# Altium PCB iTOP4412_main_Clasics_v3_2.PcbDoc (part 6 of 7) (continued)
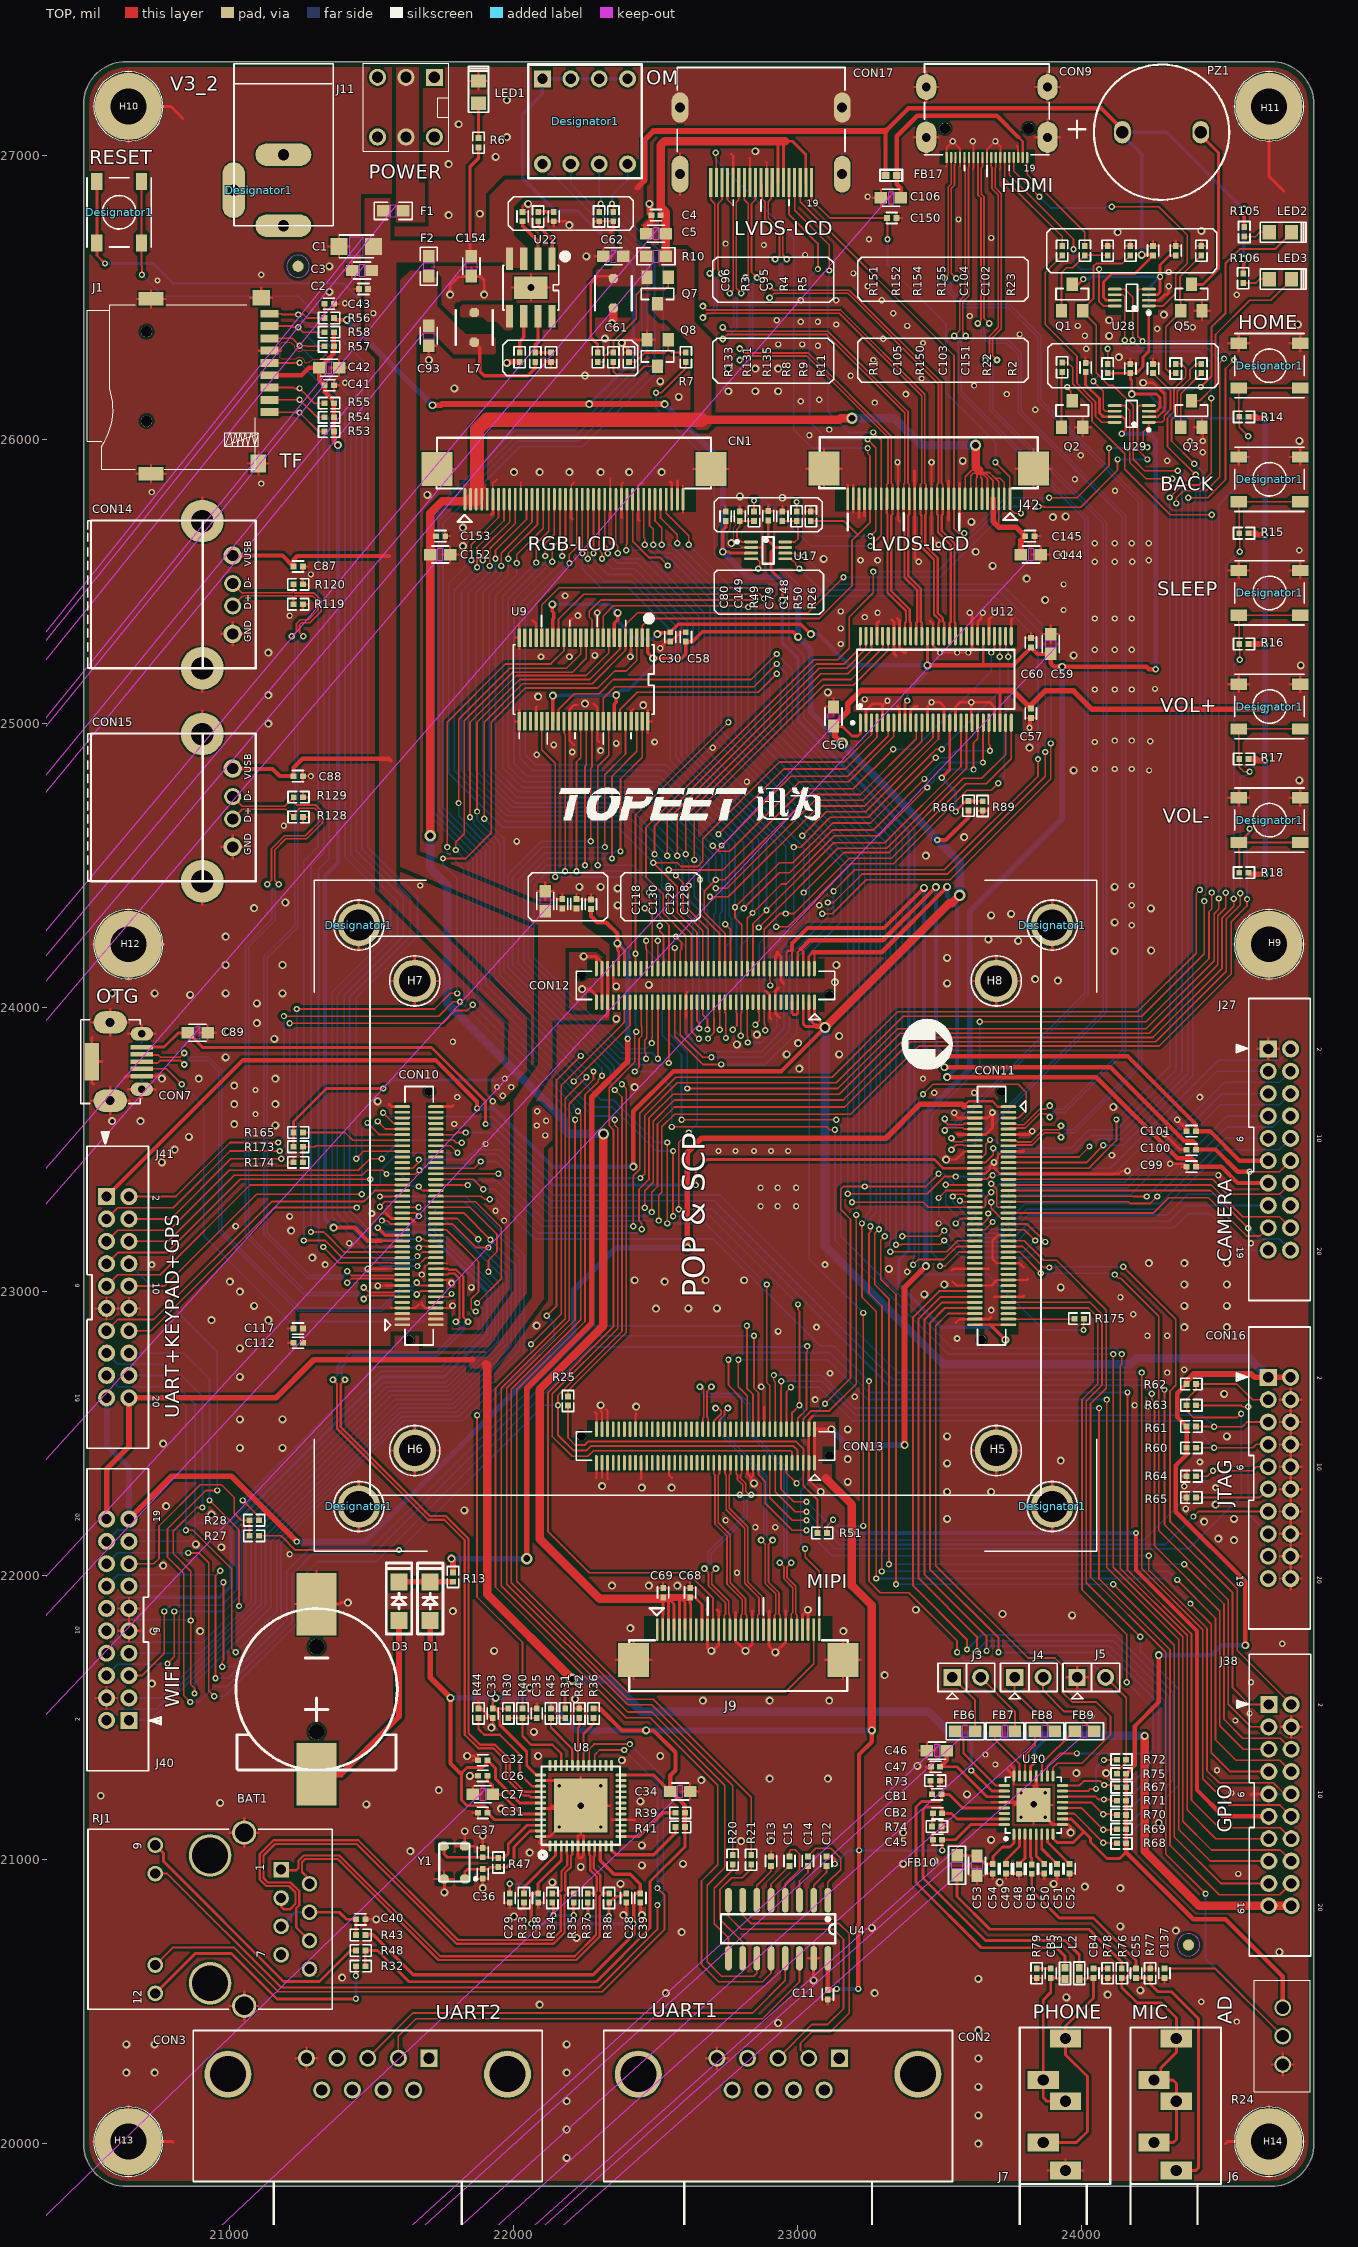
[diagram p0: TOP view]
## Nets (pads, with @x,y where several pads share a name; then routed paths per layer and width w, separated by ;. In a path a pad name is that pad's centre, name@x,y a point inside that pad or via, vN(x,y) a via of type N, cw(c..) or ccw(c..) an arc to the next point about the centre after c; other vN are vias at no path point) (continued)
XI2S0LRCK/PCM_0_FSYNC: CON11.70 R70.2 U10.13 | length 3018.7
  TOP w7: CON11.70@23625.65,22982.47 23504.75,22982.47 23427.85,22905.57 23427.85,21991.07 23632.85,21786.07 v1(23632.85,21735.57) ; U10.13@23933.99,21202.68 24035.75,21202.68 v1(24077.85,21160.57) 24102.39,21160.57 24105.13,21157.83 R70.2@24125.13,21157.83
  BOTTOM w7: v1(23632.85,21735.57) 23667.85,21770.57 24112.85,21770.57 24307.85,21575.57 24307.85,21315.57 24152.85,21160.57 v1(24077.85,21160.57)
XI2S0SCLK/PCM_0_SCLK: CON11.68 R69.2 U10.12 | length 3185.4
  TOP w7: v1(23597.85,21740.57) 23597.85,21775.57 23407.85,21965.57 23407.85,22910.57 23499.43,23002.15 CON11.68@23625.65,23002.15 ; U10.12@23933.99,21182.99 24000.43,21182.99 v1(24077.85,21105.57) 24102.87,21105.57 24105.13,21107.83 R69.2@24125.13,21107.83
  BOTTOM w7: v1(23597.85,21740.57) 23648.85,21791.57 24121.85,21791.57 24322.85,21590.57 24322.85,21280.57 24147.85,21105.57 v1(24077.85,21105.57)
XI2S0SDI/PCM_0_SIN: CON11.74 R67.2 U10.16 | length 2704.6
  TOP w7: CON11.74@23625.65,22943.1 23520.38,22943.1 23467.85,22890.57 23467.85,22022.07 23708.85,21781.07 v1(23708.85,21730.57) ; U10.16@23933.99,21261.73 23992.85,21261.73 24008.48,21277.36 24067.06,21277.36 v1(24080.85,21263.57) 24100.35,21263.57 24102.35,21261.57 24118.85,21261.57 24124.85,21255.57 R67.2@24125.35,21255.57
  BOTTOM w7: v1(23708.85,21730.57) 24092.85,21730.57 24272.85,21550.57 24272.85,21364.57 24171.85,21263.57 v1(24080.85,21263.57)
XI2S0SDO_0/PCM_0_SOUT: CON11.72 R71.2 U10.14 | length 2855
  TOP w7: CON11.72@23625.65,22962.78 23510.06,22962.78 23447.85,22900.57 23447.85,22005.07 23666.85,21786.07 v1(23666.85,21735.57) ; U10.14@23933.99,21222.36 24050.56,21222.36 24060.35,21212.57 v1(24079.85,21212.57) 24100.39,21212.57 24105.13,21207.83 R71.2@24125.13,21207.83
  BOTTOM w6: v1(23666.85,21735.57) v1@23666.85,21736.57
  BOTTOM w7: v1@23666.85,21736.57 23682.85,21752.57 24100.85,21752.57 24292.85,21560.57 24292.85,21341.57 24163.85,21212.57 v1(24079.85,21212.57)
XISPI2C1SCL: CON13.30
XISPI2C1SDA: CON13.32
XISPSPICLK: CON13.26 J38.15 | length 3594.8
  TOP w6: v1(22792.85,22760.57) 22792.85,22665.57 22824.47,22633.95 CON13.26@22824.47,22515.93 ; v1(24089.42,22620.57) 24089.42,22029.01 24342.85,21775.57 24342.85,21106.57 24453.7,20995.72 J38.15@24660.48,20995.72
  BOTTOM w6: v1(22792.85,22760.57) 23107.85,22760.57 23247.85,22620.57 v1(24089.42,22620.57)
XISPSPICSN: CON13.19
XISPSPIMISO: CON13.21 J38.10 | length 2750.9
  TOP w6: CON13.21@22863.84,22397.81 22863.84,22355.57 22887.85,22331.56 22887.85,22255.57 22982.85,22160.57 v1(23032.85,22160.57) ; v1(24237.85,22070.57) 24237.85,22020.57 24442.85,21815.57 24442.85,21313.57 24485.48,21270.94 24676.64,21270.94 24715.64,21231.94 J38.10@24739.22,21231.94
  BOTTOM w6: v1(23032.85,22160.57) 23122.85,22070.57 v1(24237.85,22070.57)
XISPSPIMOSI: CON13.28 J38.14 | length 3674.2
  TOP w6: v1(22757.85,22760.57) 22757.85,22670.57 22804.78,22623.65 CON13.28@22804.78,22515.93 ; v1(24162.85,22645.57) 24162.85,22020.77 24176.35,22007.27 24186.01,21997.61 24186.01,21997.41 24387.85,21795.57 24387.85,21210.57 24484.96,21113.46 24700.22,21113.46 J38.14@24739.22,21074.46
  BOTTOM w6: v1(22757.85,22760.57) 22783.85,22786.57 23111.85,22786.57 23252.85,22645.57 v1(24162.85,22645.57)
XJTCK: CON13.13 CON16.9 R64.2 | length 2058
  TOP w6: CON13.13@22942.58,22397.81 22942.58,22305.85 22987.85,22260.57 v1(23032.85,22260.57) ; R64.2@24404.35,22350.57 24444.17,22350.57 v1(24463.85,22370.26) 24602.8,22370.26 24616.48,22383.94 CON16.9@24658.48,22383.94
  BOTTOM w6: v1(23032.85,22260.57) 23109.85,22183.57 23109.85,22182.28 23121.57,22170.57 23122.85,22170.57 23167.85,22125.57 24219.17,22125.57 v1(24463.85,22370.26)
XJTDI: CON13.14 CON16.5 R61.1 | length 2021
  TOP w6: CON13.14@22942.58,22515.93 22942.58,22651.29 22943.85,22652.57 v1(22943.85,22684.57) ; R61.1@24404.35,22525.57 24446.85,22525.57 24447.85,22524.57 v1(24467.85,22524.57) 24566.85,22524.57 24583.7,22541.42 CON16.5@24658.48,22541.42
  BOTTOM w6: v1(22943.85,22684.57) 23086.85,22684.57 23205.85,22565.57 24426.85,22565.57 v1(24467.85,22524.57)
XJTDO: CON13.15 CON16.13 | length 1962.5
  TOP w6: CON13.15@22922.89,22397.81 22922.89,22295.54 22992.85,22225.57 v1(23032.85,22225.57) ; v1(24394.85,22208.57) 24412.74,22226.46 CON16.13@24658.48,22226.46
  BOTTOM w6: v1(23032.85,22225.57) 23147.85,22110.57 24296.85,22110.57 v1(24394.85,22208.57)
XJTMS: CON13.12 CON16.7 R60.1 | length 1991.5
  TOP w6: CON13.12@22962.26,22515.93 22962.26,22647.98 v1(22977.85,22663.57) ; R60.1@24404.35,22450.57 v1(24467.85,22450.57) 24604.37,22450.57 24616.48,22462.68 CON16.7@24658.48,22462.68
  BOTTOM w6: v1(22977.85,22663.57) 23076.85,22663.57 23194.85,22545.57 24372.85,22545.57 v1(24467.85,22450.57)
XJTRSTN: CON13.17 CON16.3 R62.1 R63.2 | length 2816.4
  TOP w6: CON13.17@22903.21,22397.81 22903.21,22275.21 22982.85,22195.57 v1(23032.85,22195.57) ; v1(24562.85,22570.57) 24549.42,22557.13 24394.79,22557.13 24371.35,22580.57 R63.2@24371.35,22600.57 24371.35,22622.57 24404.35,22655.57 R62.1@24404.35,22675.57 24547.85,22675.57 24603.26,22620.16 CON16.3@24658.48,22620.16
  BOTTOM w6: v1(23032.85,22195.57) 23132.85,22095.57 24378.85,22095.57 24562.85,22279.57 v1(24562.85,22570.57)
XM0ADDR0: CON13.65
XM0ADDR1: CON13.68
XM0ADDR2: CON13.67
XM0ADDR3: CON13.70
XM0ADDR4: CON13.69
XM0ADDR5: CON13.72
XM0ADDR6: CON13.71
XM0ADDR7: CON13.74
XM0BEN0: CON13.43
XM0CS0: CON13.73
XM0CS1: CON13.46
XM0DATA0: CON13.45
XM0DATA1: CON13.50
XM0DATA2: CON13.47
XM0DATA3: CON13.52
XM0DATA4: CON13.49
XM0DATA5: CON13.54
XM0DATA6: CON13.51
XM0DATA7: CON13.56
XM0DATA8: CON13.55
XM0DATA9: CON13.58
XM0DATA10: CON13.57
XM0DATA11: CON13.60
XM0DATA12: CON13.59
XM0DATA13: CON13.62
XM0DATA14: CON13.61
XM0DATA15: CON13.64
XM0DATA_RDN: CON13.44
XM0OEN: CON13.48
XM0WEN: CON13.41
XMIPI2LSDN0: CON11.64
XMIPI2LSDN1: CON11.67
XMIPI2LSDNCLK: CON11.61
XMIPI2LSDP0: CON11.62
XMIPI2LSDP1: CON11.65
XMIPI2LSDPCLK: CON11.59
XMIPIMDN0: CON13.29 J9.13 | length 696.7
  TOP w6: v3(22673.1,22025.57) 22687.85,22010.82 22687.85,21965.28 22747.56,21905.57 22747.56,21865.81 22743.22,21861.47 J9.13@22743.22,21810.57 ; CON13.29@22785.1,22397.81 22785.1,22359.41 22789.44,22355.07 22789.44,22338.98 22807.85,22320.57 22807.85,22295.57 v3(22797.85,22285.57)
  BOTTOM w6: v3(22673.1,22025.57) 22686.85,22039.32 22686.85,22084.57 22811.85,22209.57 22811.85,22271.57 v3(22797.85,22285.57)
XMIPIMDN1: CON13.33 J9.19 | length 638.7
  TOP w6: CON13.33@22745.73,22397.81 22745.73,22359.41 22750.07,22355.07 22750.07,22232.8 22815.01,22167.86 22815.01,21973.41 22865.67,21922.76 22865.67,21865.81 22861.33,21861.47 J9.19@22861.33,21810.57
XMIPIMDN2: CON13.38 J9.22 | length 983.2
  TOP w6: CON13.38@22706.36,22515.93 22706.36,22544.08 22732.85,22570.57 22732.85,22581.07 22723.35,22590.57 v3(22712.85,22590.57) ; v3(22872.85,22125.57) 22887.85,22110.57 22887.85,21973.1 22924.72,21936.23 22924.72,21865.81 22920.38,21861.47 J9.22@22920.38,21810.57
  BOTTOM w6: v3(22712.85,22590.57) 22723.35,22590.57 22732.85,22581.07 22732.85,22495.57 22881.85,22346.57 22881.85,22134.57 v3(22872.85,22125.57)
XMIPIMDN3: CON13.42 J9.25 | length 1231.8
  TOP w6: v3(22657.35,22665.57) 22662.82,22665.57 22671.33,22657.06 22671.33,22558.67 22666.99,22554.33 CON13.42@22666.99,22515.93 ; v3(22938.58,22046.05) 22953.34,22031.3 22953.34,22025.57 22953.33,22000.57 22953.34,21989.17 22984.01,21958.5 22984.01,21870.14 22979.44,21865.57 J9.25@22979.44,21810.57
  BOTTOM w6: v3(22657.35,22665.57) 22662.85,22660.07 22662.85,22656.82 22663.74,22655.93 22663.74,22645.38 22678.55,22630.57 22792.85,22630.57 22821.85,22601.57 22821.85,22506.57 22953.34,22375.09 22953.34,22060.8 v3(22938.58,22046.05)
XMIPIMDNCLK: CON13.37 J9.16 | length 630.6
  TOP w6: CON13.37@22706.36,22397.81 22706.36,22359.41 22710.7,22355.07 22710.7,22182.17 22752.85,22140.01 22752.85,21970.57 22806.61,21916.81 22806.61,21865.81 22802.27,21861.47 J9.16@22802.27,21810.57
XMIPIMDP0: CON13.27 J9.14 | length 708
  TOP w6: v3(22713.61,22025.57) 22698.85,22010.82 22698.85,21969.83 22758.56,21910.13 22758.56,21865.81 22762.9,21861.47 J9.14@22762.9,21810.57 ; CON13.27@22804.78,22397.81 22804.78,22359.41 22800.44,22355.07 22800.44,22343.54 22818.85,22325.13 22818.85,22297.1 22830.38,22285.57 v3(22838.36,22285.57)
  BOTTOM w6: v3(22713.61,22025.57) 22697.85,22041.32 22697.85,22080.01 22822.85,22205.01 22822.85,22268.07 22834.85,22280.07 22836.86,22280.07 22838.36,22281.57 v3(22838.36,22285.57)
XMIPIMDP1: CON13.31 J9.20 | length 638.7
  TOP w6: CON13.31@22765.41,22397.81 22765.41,22359.41 22761.07,22355.07 22761.07,22237.35 22826.01,22172.41 22826.01,21977.97 22876.67,21927.31 22876.67,21865.81 22881.01,21861.47 J9.20@22881.01,21810.57
XMIPIMDP2: CON13.36 J9.23 | length 972.8
  TOP w6: CON13.36@22726.04,22515.93 22726.04,22548.2 22743.85,22566.01 22743.85,22581.07 22753.36,22590.57 v3(22755.85,22590.57) ; v3(22913.36,22125.57) 22898.85,22111.07 22898.85,21977.66 22935.72,21940.78 22935.72,21865.81 22940.07,21861.47 J9.23@22940.07,21810.57
  BOTTOM w6: v3(22755.85,22590.57) 22753.36,22590.57 22743.85,22581.07 22743.85,22500.13 22892.85,22351.13 22892.85,22138.1 22905.38,22125.57 v3(22913.36,22125.57)
XMIPIMDP3: CON13.40 J9.26 | length 1218.5
  TOP w6: CON13.40@22686.67,22515.93 22686.67,22554.33 22682.33,22558.67 22682.33,22650.05 v3(22697.85,22665.57) ; v3(22979.09,22046.05) 22964.34,22031.3 22964.34,22021.01 22964.33,22005.13 22964.34,21993.73 22995.01,21963.06 22995.01,21865.58 22999.12,21861.47 J9.26@22999.12,21810.57
  BOTTOM w6: v3(22697.85,22665.57) 22687.73,22655.44 22687.73,22648.51 22694.66,22641.57 22797.41,22641.57 22832.85,22606.13 22832.85,22511.13 22964.34,22379.65 22964.34,22060.8 v3(22979.09,22046.05)
XMIPIMDPCLK: CON13.35 J9.17 | length 630.6
  TOP w6: CON13.35@22726.04,22397.81 22726.04,22359.41 22721.7,22355.07 22721.7,22186.72 22763.85,22144.57 22763.85,21975.13 22817.61,21921.37 22817.61,21865.81 22821.96,21861.47 J9.17@22821.96,21810.57
XMMC2CLK: CON10.26 J1.5 | length 3779.3
  TOP w6: J1.5@21142.42,26270.21 21228.5,26270.21 21228.85,26270.57 v1(21247.85,26270.57) ; v1(21662.85,23090.57) 21692.53,23120.25 CON10.26@21728.01,23120.25
  BOTTOM w6: v1(21247.85,26270.57) 21407.85,26110.57 21407.85,24531.57 21567.85,24371.57 21567.85,24260.57 21362.85,24055.57 21362.85,23263.34 21535.62,23090.57 v1(21662.85,23090.57)
XMMC2CMD: CON10.23 J1.3 R55.1 | length 3607.8
  TOP w6: J1.3@21142.42,26183.6 21225.82,26183.6 21228.85,26180.57 v1(21247.85,26180.57) 21299.85,26128.57 R55.1@21335.35,26128.57 ; v1(21330.85,23157.57) 21386.17,23102.25 21571.22,23102.25 21572.9,23100.58 CON10.23@21609.9,23100.58
  BOTTOM w6: v1(21247.85,26180.57) 21261.29,26167.13 21262.29,26167.13 21352.85,26076.57 21352.85,24525.57 21314.85,24487.57 21314.85,23173.57 v1(21330.85,23157.57)
XMMC2DATA0: CON10.28 J1.7 R57.1 | length 3917.3
  TOP w6: J1.7@21142.42,26356.83 21192.85,26356.83 21221.59,26356.83 v1(21247.85,26330.57) 21271.85,26330.57 21273.85,26328.57 R57.1@21335.35,26328.57 ; v1(21662.85,23125.57) 21666.14,23125.57 21680.51,23139.94 CON10.28@21728.01,23139.94
  BOTTOM w6: v1(21247.85,26330.57) 21427.85,26150.57 21427.85,24539.57 21592.85,24374.57 21592.85,24257.48 21387.35,24051.98 21387.35,24049.53 21386.85,24049.03 21386.85,24047.57 21380.85,24041.57 21380.85,23274.57 21543.29,23112.13 21649.42,23112.13 v1(21662.85,23125.57)
XMMC2DATA1: CON10.30 J1.8 R58.1 | length 3933.7
  TOP w6: J1.8@21142.42,26400.14 21192.85,26400.14 21219.28,26400.14 21223.85,26395.57 v1(21242.85,26395.57) 21259.85,26378.57 R58.1@21335.35,26378.57 ; v1(21667.85,23155.57) 21672.85,23160.57 21689.85,23160.57 21690.8,23159.62 CON10.30@21728.01,23159.62
  BOTTOM w6: v1(21242.85,26395.57) 21447.85,26190.57 21447.85,24552.57 21612.85,24387.57 21612.85,24252.03 21405.35,24044.53 21405.35,24042.07 21404.85,24041.57 21404.85,23280.57 21529.85,23155.57 v1(21667.85,23155.57)
XMMC2DATA2: CON10.25 J1.1 R53.1 | length 3556.1
  TOP w6: J1.1@21142.42,26096.99 21227.43,26096.99 21228.85,26095.57 v1(21247.85,26095.57) 21314.85,26028.57 R53.1@21335.35,26028.57 ; v1(21262.85,23180.57) 21337.85,23180.57 21398.17,23120.25 CON10.25@21609.9,23120.25
  BOTTOM w6: v1(21247.85,26095.57) 21312.85,26030.57 21312.85,24565.57 21262.66,24515.38 21262.66,23204.38 21262.85,23204.19 v1(21262.85,23180.57)
XMMC2DATA3: CON10.27 J1.2 R54.1 | length 3553.9
  TOP w6: J1.2@21142.42,26140.29 21142.7,26140.57 21183.7,26140.57 21183.76,26140.56 21186.19,26140.76 21187.48,26140.61 21188.19,26140.57 v1(21247.85,26140.57) 21309.85,26078.57 R54.1@21335.35,26078.57 ; v1(21287.85,23210.57) 21332.85,23210.57 21344.85,23198.57 21345.31,23198.57 21403.94,23139.94 CON10.27@21609.9,23139.94
  BOTTOM w6: v1(21247.85,26140.57) 21332.85,26055.57 21332.85,24545.57 21287.85,24500.57 v1(21287.85,23210.57)
XNRESET_EXT: CON10.61
XNRSOUT: CON10.64
XNWRESET: CON10.62
XOM2: CON13.9 | length 6388.2
  TOP w6: v1(22357.85,23605.57) 22357.85,23586.57 22367.85,23576.57 22367.85,22870.57 22137.85,22640.57 22137.85,22490.57 22207.85,22420.57 22262.85,22420.57 22282.85,22440.57 22976.19,22440.57 22981.95,22434.81 CON13.9@22981.95,22397.81
  BOTTOM w6: 22102.85,26970.57 22452.85,26620.57 22452.85,26270.57 22217.85,26035.57 22007.85,26035.57 21702.85,25730.57 21702.85,24680.57 21857.85,24525.57 21857.85,24040.57 22279.42,23619.01 22344.42,23619.01 v1(22357.85,23605.57)
XOM3: CON13.10 CON13.11 | length 6078.6
  TOP w6: v1(22562.85,23265.57) v1(22562.85,23495.57) ; CON13.11@22962.26,22397.81 22962.26,22361.17 v1(22997.85,22325.57) ; CON13.10@22981.95,22515.93 22981.95,22574.67 v1(23007.85,22600.57) 23007.85,22931.57 23002.85,22936.57 v1(23002.85,22955.57)
  BOTTOM w6: 22202.85,26970.57 22202.85,26900.57 22472.85,26630.57 22472.85,26265.57 22222.85,26015.57 22012.85,26015.57 21720.85,25723.57 21720.85,24687.57 21872.85,24535.57 21872.85,24050.57 22272.85,23650.57 22349.14,23650.57 22504.14,23495.57 v1(22562.85,23495.57) ; v1(22562.85,23265.57) 22692.85,23265.57 v1(23002.85,22955.57) ; v1(22997.85,22325.57) 23022.85,22350.57 23022.85,22585.57 v1(23007.85,22600.57)
XPWMTOUT1: CON13.5 R25.2 R51.1 | length 1285.9
  TOP w6: R25.2@22192.85,22599.07 22192.85,22485.57 22217.85,22460.57 ; CON13.5@23021.32,22397.81 23021.32,22317.11 23037.85,22300.57
  TOP w7: 22217.85,22460.57 22251.85,22460.57 22264.85,22473.57 22994.85,22473.57 23021.32,22447.11 CON13.5@23021.32,22397.81 ; 23037.85,22300.57 23071.35,22267.07 R51.1@23071.35,22150.57
XSPICLK0/I2C_4_SDA: CON11.73 U10.18 | length 2407.9
  TOP w6: CON11.73@23743.76,22943.1 24025.33,22943.1 24057.85,22910.57 24057.85,22675.57 24002.85,22620.57 24002.85,21950.57 24159.85,21793.57 v1(24159.85,21625.57) ; U10.18@23880.84,21295.2 23880.84,21330.56 23924.85,21374.57 v1(23984.85,21374.57)
  BOTTOM w6: v1(23984.85,21374.57) 24239.85,21374.57 24252.85,21387.57 24252.85,21532.57 v1(24159.85,21625.57)
XSPICSN0/I2C_4_SCL: CON11.76 U10.17 | length 2235.2
  TOP w6: CON11.76@23625.65,22923.41 23530.69,22923.41 23487.85,22880.57 23487.85,22035.57 23812.85,21710.57 23907.85,21710.57 23931.85,21686.57 23931.85,21591.57 23967.85,21555.57 24052.85,21555.57 24102.85,21505.57 24102.85,21440.57 24002.85,21340.57 23916.9,21340.57 23900.53,21324.2 U10.17@23900.53,21295.2
XUCTS1: CON12.65
XUCTSN0: CON10.46 J40.17 J41.18 | length 2947.9
  TOP w6: CON10.46@21728.01,23317.1 21867.32,23317.1 21957.85,23226.57 21957.85,23045.57 v1(21872.85,22960.57)
  BOTTOM w6: J40.17@20647.22,22121.16 20858.44,22121.16 20879.42,22142.13 20879.42,22185.57 ; J41.18@20647.22,22705.29 20780.13,22705.29 20879.42,22606.01 20879.42,22185.57 ; v1(21872.85,22960.57) 21892.85,22940.57 21892.85,22860.57 21752.85,22720.57 21532.85,22720.57 20997.85,22185.57 20879.42,22185.57
XUCTSN2/I2C_3_SDA: CON12.51 U17.4 | length 3706.3
  TOP w6: CON12.51@22568.56,24019.86 22568.56,23899.87 22667.85,23800.57 v1(22732.85,23800.57) ; U17.4@22837.81,25581.04 22857.5,25581.04 22867.85,25570.69 22867.85,25550.57 v1(22862.85,25545.57) ; v1(23128,24410.43) 23203.14,24485.57 23517.85,24485.57 23847.85,24815.57 v1(23847.85,24875.57)
  BOTTOM w6: v1(22732.85,23800.57) 22887.85,23800.57 22997.85,23910.57 22997.85,24175.57 23127.85,24305.57 23127.85,24391.28 23128,24391.43 v1(23128,24410.43) ; v1(22862.85,25545.57) 22947.85,25545.57 23042.85,25450.57 23690.85,25450.57 23847.85,25293.57 v1(23847.85,24875.57)
XUHOSTDATA0: CON10.77
XUHOSTDATA1_EXT: CON10.9
XUHOSTSTROBE0: CON10.78
XUHOSTSTROBE1_EXT: CON10.10
XUOTGDM: CON7.2 CON10.16 | length 1791.8
  TOP w6: CON7.2@20692.42,23836.16 20694.92,23833.66 20750.64,23833.66 20758.73,23825.57 20826.85,23825.57 v3(20841.85,23840.57)
  TOP w7: v3(21660.59,23032.52) 21660.59,23028.83 21667.59,23021.83 CON10.16@21728.01,23021.83
  BOTTOM w6: v3(20841.85,23840.57) 20841.85,23839.57 20855.85,23825.57 20927.41,23825.57 20973.85,23779.13 20973.85,23217.13 21248.41,22942.57 21531.85,22942.57 21606.85,23017.57 21645.47,23017.57 21649.58,23021.68 21649.75,23021.68 v3(21660.59,23032.52)
XUOTGDP: CON7.3 CON10.14 | length 1790.6
  TOP w6: CON7.3@20692.42,23810.57 20697.42,23805.57 20748.14,23805.57 20757.14,23814.57 20827.35,23814.57 v3(20841.85,23800.07)
  TOP w7: v3(21660.59,22990.92) 21662.8,22990.92 21674.03,23002.15 CON10.14@21728.01,23002.15
  BOTTOM w6: v3(20841.85,23800.07) 20843.35,23800.07 20857.85,23814.57 20922.85,23814.57 20962.85,23774.57 20962.85,23212.57 21243.85,22931.57 21536.41,22931.57 21611.41,23006.57 21644.85,23006.57 21660.5,22990.92 v3(21660.59,22990.92)
XUOTGID: CON7.4 CON10.12 | length 1824.6
  TOP w6: CON7.4@20692.42,23784.98 20778.44,23784.98 v1(20832.85,23730.57) ; CON10.12@21728.01,22982.47 21772.75,22982.47 v1(21782.85,22992.57)
  BOTTOM w6: v1(20832.85,23730.57) 20910.85,23652.57 20910.85,23197.57 21212.85,22895.57 21685.85,22895.57 v1(21782.85,22992.57)
XUOTGVBUS: C89.2 CON7.1 CON11.24 | length 3301.9
  TOP w10: CON7.1@20692.42,23861.75 20771.03,23861.75 20820.85,23911.57 C89.2@20853.85,23911.57 20855.85,23911.57 20906.85,23860.57 21712.85,23860.57 21902.85,23670.57 v1(21902.85,23590.57) ; v1(22642.85,23375.57) 22642.85,23425.57 22682.85,23465.57 23482.85,23465.57 23513.21,23435.21 CON11.24@23625.65,23435.21
  BOTTOM w10: v1(21902.85,23590.57) 21923.85,23590.57 22138.85,23375.57 v1(22642.85,23375.57)
XURTS1: CON12.62 J38.13 | length 4937.4
  TOP w6: v1(22467.85,24235.57) 22467.85,24206.26 22470.14,24203.97 CON12.62@22470.14,24137.98 ; v1(22592.85,23605.57) v1(23137.85,23605.57) ; v1(24142.85,22780.57) 24142.85,22745.57 24137.85,22740.57 24137.85,22025.57 24372.85,21790.57 24372.85,21175.57 24473.96,21074.46 J38.13@24660.48,21074.46
  BOTTOM w6: v1(22467.85,24235.57) 22467.85,24205.57 22524.85,24148.57 22524.85,23903.57 22592.85,23835.57 v1(22592.85,23605.57) ; v1(23137.85,23605.57) 23152.85,23590.57 23152.85,23195.57 23546.85,22801.57 24121.85,22801.57 v1(24142.85,22780.57)
XURTSN0: CON10.47 J40.18 J41.17 | length 4182.9
  TOP w6: v1(20847.85,22160.57) 20872.85,22160.57 21009.42,22024.01 21009.42,21744.01 v1(21022.85,21730.57) ; v1(21530.85,23335.57) 21572.17,23335.57 21573.4,23336.8 CON10.47@21609.9,23336.8
  BOTTOM w6: J40.18@20568.48,22121.16 20607.89,22160.57 v1(20847.85,22160.57) 20847.85,22596.57 20778.87,22665.56 20608.22,22665.56 J41.17@20568.48,22705.29 ; v1(21022.85,21730.57) 21167.85,21875.57 21167.85,22120.57 21607.85,22560.57 21808.85,22560.57 22037.85,22789.57 22037.85,23130.57 21832.85,23335.57 v1(21530.85,23335.57)
XURTSN2/I2C_3_SCL: CON12.49 U17.5 | length 3549
  TOP w6: CON12.49@22588.25,24019.86 22588.25,23905.17 22667.85,23825.57 v1(22697.85,23825.57) ; U17.5@22957.89,25581.04 22977.58,25581.04 22994.42,25564.2 22994.42,25559.01 v1(23007.85,25545.57) ; v1(23107.85,24370.57) 23127.85,24370.57 23227.85,24470.57 23527.85,24470.57 23872.85,24815.57 v1(23872.85,24900.57)
  BOTTOM w6: v1(22697.85,23825.57) 22877.85,23825.57 22972.85,23920.57 22972.85,24183.57 23107.85,24318.57 v1(23107.85,24370.57) ; v1(23007.85,25545.57) 23082.85,25470.57 23707.85,25470.57 23872.85,25305.57 v1(23872.85,24900.57)
XURXD0: CON10.44 J40.8 J41.16 | length 3791.8
  TOP w6: v1(20930.85,22265.57) 21034.85,22161.57 v1(21034.85,21893.57) ; CON10.44@21728.01,23297.42 21848,23297.42 21942.85,23202.57 21942.85,23140.57 21912.85,23110.57 v1(21912.85,23070.57)
  BOTTOM w6: J40.8@20568.48,21727.46 20607.48,21766.46 20907.74,21766.46 v1(21034.85,21893.57) 21057.85,21916.57 21057.85,22145.57 21562.85,22650.57 21772.85,22650.57 21947.85,22825.57 21947.85,23035.57 v1(21912.85,23070.57) ; J41.16@20647.22,22784.04 20842.39,22784.04 20930.85,22695.57 v1(20930.85,22265.57)
XURXD1: CON12.60 U9.29 | length 1166.1
  TOP w6: U9.29@22100.21,25007.93 22100.21,24908.21 22147.85,24860.57 v1(22147.85,24460.57) ; v1(22462.85,24350.57) 22489.19,24324.24 22489.19,24197.28 22489.82,24196.65 CON12.60@22489.82,24137.98
  BOTTOM w6: v1(22147.85,24460.57) 22377.85,24460.57 22462.85,24375.57 v1(22462.85,24350.57)
XURXD2/UART_AUDIO_RXD: CON12.54 U9.36 | length 1116.7
  TOP w6: v1(22222.85,24480.57) 22222.85,24865.57 22238.01,24880.73 U9.36@22238.01,25007.93 ; v1(22477.85,24405.57) 22502.85,24380.57 22502.85,24335.57 22548.88,24289.54 CON12.54@22548.88,24137.98
  BOTTOM w6: v1(22222.85,24480.57) 22402.85,24480.57 v1(22477.85,24405.57)
XUTXD0: CON10.45 J40.10 J41.15 | length 4640.2
  TOP w6: v1(20877.85,21585.57) 20877.85,21604.57 20864.85,21617.57 v1(20864.85,21842.57) 20864.85,22016.57 20802.85,22078.57 20802.85,22156.57 20886.85,22240.57 v1(20905.85,22240.57) ; v1(21530.85,23299.57) 21548.39,23317.1 CON10.45@21609.9,23317.1
  BOTTOM w6: J40.10@20568.48,21806.2 20607.48,21845.2 20843.22,21845.2 20845.85,21842.57 v1(20864.85,21842.57) ; J41.15@20568.48,22784.04 20607.48,22745.04 20793.39,22745.04 20905.85,22632.57 v1(20905.85,22240.57) ; v1(20877.85,21585.57) 20877.85,21620.57 21147.85,21890.57 21147.85,22120.57 21602.85,22575.57 21801.85,22575.57 22022.85,22796.57 22022.85,23121.57 21825.85,23318.57 21549.85,23318.57 v1(21530.85,23299.57)
XUTXD1: CON12.63 J38.16 | length 4849
  TOP w6: v1(22427.85,23775.57) 22442.85,23790.57 22442.85,23890.57 22452.85,23900.57 22452.85,23933.17 22450.45,23935.57 CON12.63@22450.45,24019.86 ; v1(22557.85,23580.57) 23103.85,23580.57 23113.85,23570.57 v1(23132.85,23570.57) ; v1(24112.85,22780.57) 24112.85,22030.57 24357.85,21785.57 24357.85,21135.57 24458.7,21034.72 24700.22,21034.72 J38.16@24739.22,20995.72
  BOTTOM w6: v1(22427.85,23775.57) 22502.85,23775.57 22557.85,23720.57 v1(22557.85,23580.57) ; v1(23132.85,23570.57) 23132.85,23180.57 23532.85,22780.57 v1(24112.85,22780.57)
XUTXD2/UART_AUDIO_TXD: CON12.56 U9.41 | length 1054.5
  TOP w6: v1(22297.85,24501.47) 22297.85,24850.57 22336.43,24889.15 U9.41@22336.43,25007.93 ; v1(22516.21,24288.93) 22516.21,24269.93 22529.19,24256.95 CON12.56@22529.19,24137.98
  BOTTOM w6: v1(22297.85,24501.47) 22421.95,24501.47 22516.21,24407.21 v1(22516.21,24288.93)
XVSYS_OE: CON13.39
XVVSYNC_LDI: CON13.34
pads on no net: "BAT1. " "CON9. " "CON10. " "CON11. " "CON12. " "CON13. " "J1. " "RJ1. " CON2.1 CON2.4 CON2.6 CON2.7 CON2.8 CON2.9 CON2.10 CON2.11 CON3.1 CON3.4 CON3.6 CON3.7 CON3.8 CON3.9 CON3.10 CON3.11 CON12.11 CON12.13 CON12.71 CON12.73 CON16.17 CON16.19 Designator1.1 Designator1.2 Designator1.3 Designator1.4 Designator1.5 Designator1.6 Designator1.7 Designator1.8 J9.1 J9.8 J11.1 J11.4 RJ1.7 RJ1.8 U8.11 U8.14 U8.15 U8.17 U8.18 U8.19 U8.23 U8.25 U8.26 U8.27 U8.33 U8.35 U8.36 U9.14 U9.19 U9.22 U9.23 U9.26 U9.27 U9.30 U9.35 U10.30 U12.37 U12.38 U22.8

## Polygon pours and split planes (outlines as drawn)
no net on Top Overlay (solid): 23547.3,23870.89 ccw(c23457.85,23870.89) 23457.85,23960.33 ccw(c23457.85,23870.89) 23368.41,23870.89 ccw(c23457.85,23870.89) 23457.85,23781.44 ccw(c23457.85,23870.89) 23547.3,23870.89
GND on TOP (solid, pour order 317): 136 vertices, not listed, extent 21178.39,26269.32 21345.44,26343.83
GND on TOP (solid, pour order 315): 58 vertices, not listed, extent 23881.08,20410.03 24027.85,20700.57
GND on TOP (solid, pour order 313): 51 vertices, not listed, extent 24157.86,20410.03 24397.85,20574.63
GND on TOP (solid, pour order 311): 130 vertices, not listed, extent 21337.23,20564.07 21612.48,20665.57
GND on TOP (solid, pour order 309): 227 vertices, not listed, extent 21260.86,20611.57 22407.85,20988.57
GND on TOP (solid, pour order 307): 172 vertices, not listed, extent 21134.86,20674.57 22277.85,21041.57
GND on TOP (solid, pour order 305): 49 vertices, not listed, extent 22196.86,20867.57 22279.85,21020.84
GND on TOP (solid, pour order 303): 118 vertices, not listed, extent 24206.36,20875.57 24418.87,21537.16
GND on TOP (solid, pour order 301): 103 vertices, not listed, extent 22297.86,20886.57 22431.85,20981.11
GND on TOP (solid, pour order 299): 70 vertices, not listed, extent 22782.15,20949.82 22824.85,21248.52
GND on TOP (solid, pour order 297): 22374.12,21033.57 22374.12,21054.3 22407.59,21054.3 22407.59,21066.3 22451.21,21066.3 22534.48,21149.57 22555.55,21149.57 22558.01,21147.57 22586.85,21147.57 22586.85,21133.57 22552.85,21133.57 22552.85,21102.73 22555.11,21099.95 22488.73,21033.57 22374.12,21033.57
GND on TOP (solid, pour order 295): 22124.12,21076.84 22124.12,21304.3 22351.58,21304.3 22351.58,21076.84 22124.12,21076.84
GND on TOP (solid, pour order 293): 48 vertices, not listed, extent 23928.53,21075.57 23979.95,21119.75
GND on TOP (solid, pour order 291): 23757.27,21118.47 23757.27,21267.2 23905.99,21267.2 23905.99,21118.47 23757.27,21118.47
GND on TOP (solid, pour order 289): 95 vertices, not listed, extent 21913.73,21156.36 22008.19,21206.7
GND on TOP (solid, pour order 287): 41 vertices, not listed, extent 22407.59,21098.31 22581.44,21282.84
GND on TOP (solid, pour order 285): 49 vertices, not listed, extent 21832.86,21205.57 21902.98,21310.57
GND on TOP (solid, pour order 283): 102 vertices, not listed, extent 24440.86,21205.94 24631.07,21294.35
GND on TOP (solid, pour order 281): 704 vertices, not listed, extent 23500.86,21273.57 24264.78,22916.52
GND on TOP (solid, pour order 279): 64 vertices, not listed, extent 24455.86,21283.94 24627.82,21355.52
GND on TOP (solid, pour order 277): 220 vertices, not listed, extent 22261.7,21284.36 22553.85,21507.16
GND on TOP (solid, pour order 275): 39 vertices, not listed, extent 22060.9,21326.84 22154.95,21391.57
GND on TOP (solid, pour order 273): 20 vertices, not listed, extent 22046.86,21360.3 22194.32,21515.57
GND on TOP (solid, pour order 271): 64 vertices, not listed, extent 24515.86,21441.42 24627.82,21525.53
GND on TOP (solid, pour order 269): 185 vertices, not listed, extent 22146.86,21409.88 22486.3,21638.54
GND on TOP (solid, pour order 267): 47 vertices, not listed, extent 22045.86,21513.07 22179.57,21756.55
GND on TOP (solid, pour order 265): 65 vertices, not listed, extent 24545.86,21559.9 24677.18,21716.22
GND on TOP (solid, pour order 263): 37 vertices, not listed, extent 22379.2,21603.57 23045.17,21762.57
GND on TOP (solid, pour order 261): 132 vertices, not listed, extent 22025.86,21654.9 22512.85,22114.55
GND on TOP (solid, pour order 259): 44 vertices, not listed, extent 22734.7,21858.57 22852.67,22224.12
GND on TOP (solid, pour order 257): 36 vertices, not listed, extent 22716.85,21858.57 22734.56,21912.24
GND on TOP (solid, pour order 255): 37 vertices, not listed, extent 22638.86,21858.57 22690.84,21961.52
GND on TOP (solid, pour order 253): 68 vertices, not listed, extent 22266.87,21944.07 22626.8,21997.57
GND on TOP (solid, pour order 251): 124 vertices, not listed, extent 20849.26,22035.62 21021.85,22246.67
GND on TOP (solid, pour order 249): 136 vertices, not listed, extent 23050.52,22264.59 23219.85,22663.52
GND on TOP (solid, pour order 247): 35 vertices, not listed, extent 23012.75,22433.31 23044.85,22480.43
GND on TOP (solid, pour order 245): 185 vertices, not listed, extent 21932.86,22679.62 22139.85,23510.7
GND on TOP (solid, pour order 243): 56 vertices, not listed, extent 23661.15,22899.04 23708.26,23233.45
GND on TOP (solid, pour order 241): 71 vertices, not listed, extent 21763.52,22911.72 21796.85,22977.33
GND on TOP (solid, pour order 239): 55 vertices, not listed, extent 21645.4,22938.75 21692.51,22988.64
GND on TOP (solid, pour order 237): 135 vertices, not listed, extent 23397.86,22925.33 23590.14,23126.94

## Text inside footprints (layer, text, board x,y; h text height)
CON11: PIN_NUMBER "51" at 23823.76,23159.62 h25 r270; PIN_NUMBER "40" at 23505.65,23277.73 h25 r270; PIN_NUMBER "24" at 23505.65,23435.21 h25 r270; PIN_NUMBER "49" at 23823.76,23179.31 h25 r270; PIN_NUMBER "16" at 23505.65,23513.95 h25 r270; PIN_NUMBER "8" at 23515.65,23592.69 h25 r270; PIN_NUMBER "10" at 23505.65,23573.01 h25 r270; PIN_NUMBER "30" at 23505.65,23376.17 h25 r270; PIN_NUMBER "68" at 23505.65,23002.15 h25 r270; PIN_NUMBER "29" at 23823.76,23376.17 h25 r270; PIN_NUMBER "14" at 23505.65,23533.64 h25 r270; PIN_NUMBER "32" at 23505.65,23356.47 h25 r270; PIN_NUMBER "37" at 23823.76,23297.42 h25 r270; PIN_NUMBER "31" at 23823.76,23356.47 h25 r270; PIN_NUMBER "38" at 23505.65,23297.42 h25 r270; PIN_NUMBER "15" at 23823.76,23513.95 h25 r270; PIN_NUMBER "72" at 23505.65,22962.78 h25 r270; PIN_NUMBER "34" at 23505.65,23336.79 h25 r270; PIN_NUMBER "7" at 23833.76,23592.69 h25 r270; PIN_NUMBER "33" at 23823.76,23336.79 h25 r270; PIN_NUMBER "36" at 23505.65,23317.1 h25 r270; PIN_NUMBER "35" at 23823.76,23317.1 h25 r270; PIN_NUMBER "3" at 23833.76,23632.06 h25 r270; PIN_NUMBER "4" at 23515.65,23632.06 h25 r270; PIN_NUMBER "9" at 23833.76,23573.01 h25 r270; PIN_NUMBER "19" at 23823.76,23474.58 h25 r270; PIN_NUMBER "13" at 23823.76,23533.64 h25 r270; PIN_NUMBER "20" at 23505.65,23474.58 h25 r270; PIN_NUMBER "71" at 23823.76,22962.78 h25 r270; PIN_NUMBER "74" at 23505.65,22943.1 h25 r270; PIN_NUMBER "60" at 23505.65,23080.88 h25 r270; PIN_NUMBER "47" at 23823.76,23198.99 h25 r270; PIN_NUMBER "57" at 23823.76,23100.58 h25 r270; PIN_NUMBER "11" at 23823.76,23553.32 h25 r270; PIN_NUMBER "6" at 23515.65,23612.38 h25 r270; PIN_NUMBER "12" at 23505.65,23553.32 h25 r270; PIN_NUMBER "18" at 23505.65,23494.28 h25 r270; PIN_NUMBER "17" at 23823.76,23494.28 h25 r270; PIN_NUMBER "25" at 23823.76,23415.54 h25 r270; PIN_NUMBER "26" at 23505.65,23415.54 h25 r270; PIN_NUMBER "69" at 23823.76,22982.47 h25 r270; PIN_NUMBER "63" at 23823.76,23041.51 h25 r270; PIN_NUMBER "66" at 23505.65,23021.83 h25 r270; PIN_NUMBER "78" at 23505.65,22903.72 h25 r270; PIN_NUMBER "46" at 23505.65,23218.69 h25 r270; PIN_NUMBER "39" at 23823.76,23277.73 h25 r270; PIN_NUMBER "28" at 23505.65,23395.84 h25 r270; PIN_NUMBER "44" at 23505.65,23238.36 h25 r270; PIN_NUMBER "73" at 23823.76,22943.1 h25 r270; PIN_NUMBER "42" at 23505.65,23258.06 h25 r270; PIN_NUMBER "76" at 23505.65,22923.41 h25 r270; PIN_NUMBER "27" at 23823.76,23395.84 h25 r270; PIN_NUMBER "70" at 23505.65,22982.47 h25 r270; PIN_NUMBER "23" at 23823.76,23435.21 h25 r270; PIN_NUMBER "50" at 23505.65,23179.31 h25 r270; PIN_NUMBER "21" at 23823.76,23454.91 h25 r270; PIN_NUMBER "22" at 23505.65,23454.91 h25 r270; PIN_NUMBER "80" at 23505.65,22884.04 h25 r270; PIN_NUMBER "79" at 23823.76,22884.04 h25 r270; PIN_NUMBER "58" at 23505.65,23100.58 h25 r270; PIN_NUMBER "75" at 23823.76,22923.41 h25 r270; PIN_NUMBER "64" at 23505.65,23041.51 h25 r270; PIN_NUMBER "43" at 23823.76,23238.36 h25 r270; PIN_NUMBER "77" at 23823.76,22903.72 h25 r270; PIN_NUMBER "59" at 23823.76,23080.88 h25 r270; PIN_NUMBER "61" at 23823.76,23061.21 h25 r270; PIN_NUMBER "67" at 23823.76,23002.15 h25 r270; PIN_NUMBER "45" at 23823.76,23218.69 h25 r270; PIN_NUMBER "52" at 23505.65,23159.62 h25 r270; PIN_NUMBER "65" at 23823.76,23021.83 h25 r270; PIN_NUMBER "62" at 23505.65,23061.21 h25 r270; PIN_NUMBER "56" at 23505.65,23120.25 h25 r270; PIN_NUMBER "48" at 23505.65,23198.99 h25 r270; PIN_NUMBER "41" at 23823.76,23258.06 h25 r270; PIN_NUMBER "53" at 23823.76,23139.94 h25 r270; PIN_NUMBER "2" at 23515.65,23651.75 h25 r270; PIN_NUMBER "1" at 23833.76,23651.75 h25 r270; PIN_NUMBER "55" at 23823.76,23120.25 h25 r270; PIN_NUMBER "5" at 23833.76,23612.38 h25 r270; PIN_NUMBER "54" at 23505.65,23139.94 h25 r270
CON12: PIN_NUMBER "68" at 22391.08,24237.98 h25 r180; PIN_NUMBER "50" at 22568.25,24237.98 h25 r180; PIN_NUMBER "23" at 22824.15,23919.86 h25 r180; PIN_NUMBER "31" at 22745.41,23919.86 h25 r180; PIN_NUMBER "51" at 22548.56,23919.86 h25 r180; PIN_NUMBER "67" at 22391.08,23919.86 h25 r180; PIN_NUMBER "72" at 22351.71,24237.98 h25 r180; PIN_NUMBER "70" at 22371.4,24237.98 h25 r180; PIN_NUMBER "22" at 22843.84,24237.98 h25 r180; PIN_NUMBER "53" at 22528.88,23919.86 h25 r180; PIN_NUMBER "30" at 22765.1,24237.98 h25 r180; PIN_NUMBER "28" at 22784.78,24237.98 h25 r180; PIN_NUMBER "29" at 22765.1,23919.86 h25 r180; PIN_NUMBER "26" at 22804.47,24237.98 h25 r180; PIN_NUMBER "27" at 22784.78,23919.86 h25 r180; PIN_NUMBER "24" at 22824.15,24237.98 h25 r180; PIN_NUMBER "25" at 22804.47,23919.86 h25 r180; PIN_NUMBER "57" at 22489.51,23919.86 h25 r180; PIN_NUMBER "40" at 22666.67,24237.98 h25 r180; PIN_NUMBER "34" at 22725.73,24237.98 h25 r180; PIN_NUMBER "36" at 22706.04,24237.98 h25 r180; PIN_NUMBER "37" at 22686.36,23919.86 h25 r180; PIN_NUMBER "41" at 22646.99,23919.86 h25 r180; PIN_NUMBER "45" at 22607.62,23919.86 h25 r180; PIN_NUMBER "33" at 22725.73,23919.86 h25 r180; PIN_NUMBER "44" at 22627.3,24237.98 h25 r180; PIN_NUMBER "43" at 22627.3,23919.86 h25 r180; PIN_NUMBER "35" at 22706.04,23919.86 h25 r180; PIN_NUMBER "32" at 22745.41,24237.98 h25 r180; PIN_NUMBER "42" at 22646.99,24237.98 h25 r180; PIN_NUMBER "15" at 22902.89,23919.86 h25 r180; PIN_NUMBER "17" at 22883.21,23919.86 h25 r180; PIN_NUMBER "14" at 22922.58,24237.98 h25 r180; PIN_NUMBER "47" at 22587.93,23919.86 h25 r180; PIN_NUMBER "78" at 22292.66,24237.98 h25 r180; PIN_NUMBER "77" at 22292.66,23919.86 h25 r180; PIN_NUMBER "80" at 22272.97,24237.98 h25 r180; PIN_NUMBER "74" at 22332.03,24237.98 h25 r180; PIN_NUMBER "79" at 22272.97,23919.86 h25 r180; PIN_NUMBER "16" at 22902.89,24237.98 h25 r180; PIN_NUMBER "55" at 22509.19,23919.86 h25 r180; PIN_NUMBER "52" at 22548.56,24237.98 h25 r180; PIN_NUMBER "61" at 22450.14,23919.86 h25 r180; PIN_NUMBER "54" at 22528.88,24237.98 h25 r180; PIN_NUMBER "56" at 22509.19,24237.98 h25 r180; PIN_NUMBER "10" at 22961.95,24237.98 h25 r180; PIN_NUMBER "12" at 22942.26,24237.98 h25 r180; PIN_NUMBER "49" at 22568.25,23919.86 h25 r180; PIN_NUMBER "2" at 23050.69,24237.98 h25 r180; PIN_NUMBER "4" at 23031,24237.98 h25 r180; PIN_NUMBER "59" at 22469.82,23919.86 h25 r180; PIN_NUMBER "6" at 23011.32,24237.98 h25 r180; PIN_NUMBER "8" at 22991.63,24237.98 h25 r180; PIN_NUMBER "7" at 22991.63,23919.86 h25 r180; PIN_NUMBER "9" at 22971.95,23919.86 h25 r180; PIN_NUMBER "46" at 22607.62,24237.98 h25 r180; PIN_NUMBER "18" at 22883.21,24237.98 h25 r180; PIN_NUMBER "20" at 22863.52,24237.98 h25 r180; PIN_NUMBER "21" at 22843.84,23919.86 h25 r180; PIN_NUMBER "66" at 22410.77,24237.98 h25 r180; PIN_NUMBER "19" at 22863.52,23919.86 h25 r180; PIN_NUMBER "5" at 23011.32,23919.86 h25 r180; PIN_NUMBER "1" at 23050.69,23919.86 h25 r180; PIN_NUMBER "3" at 23031,23919.86 h25 r180; PIN_NUMBER "48" at 22587.93,24237.98 h25 r180; PIN_NUMBER "38" at 22686.36,24237.98 h25 r180; PIN_NUMBER "39" at 22666.67,23919.86 h25 r180; PIN_NUMBER "63" at 22430.45,23919.86 h25 r180; PIN_NUMBER "60" at 22469.82,24237.98 h25 r180; PIN_NUMBER "58" at 22489.51,24237.98 h25 r180; PIN_NUMBER "62" at 22450.14,24237.98 h25 r180; PIN_NUMBER "65" at 22410.77,23919.86 h25 r180; PIN_NUMBER "64" at 22430.45,24237.98 h25 r180; PIN_NUMBER "73" at 22332.03,23919.86 h25 r180; PIN_NUMBER "71" at 22351.71,23919.86 h25 r180; PIN_NUMBER "13" at 22922.58,23919.86 h25 r180; PIN_NUMBER "11" at 22942.26,23919.86 h25 r180; PIN_NUMBER "69" at 22371.4,23919.86 h25 r180; PIN_NUMBER "76" at 22312.34,24237.98 h25 r180; PIN_NUMBER "75" at 22312.34,23919.86 h25 r180
CON13: PIN_NUMBER "45" at 22607.62,22297.81 h25 r180; PIN_NUMBER "65" at 22410.77,22297.81 h25 r180; PIN_NUMBER "69" at 22371.4,22297.81 h25 r180; PIN_NUMBER "74" at 22332.03,22615.93 h25 r180; PIN_NUMBER "51" at 22548.56,22297.81 h25 r180; PIN_NUMBER "71" at 22351.71,22297.81 h25 r180; PIN_NUMBER "54" at 22528.88,22615.93 h25 r180; PIN_NUMBER "70" at 22371.4,22615.93 h25 r180; PIN_NUMBER "39" at 22666.67,22297.81 h25 r180; PIN_NUMBER "21" at 22843.84,22297.81 h25 r180; PIN_NUMBER "67" at 22391.08,22297.81 h25 r180; PIN_NUMBER "5" at 23011.32,22297.81 h25 r180; PIN_NUMBER "41" at 22646.99,22297.81 h25 r180; PIN_NUMBER "50" at 22568.25,22615.93 h25 r180; PIN_NUMBER "49" at 22568.25,22297.81 h25 r180; PIN_NUMBER "6" at 23011.32,22615.93 h25 r180; PIN_NUMBER "19" at 22863.52,22297.81 h25 r180; PIN_NUMBER "34" at 22725.73,22615.93 h25 r180; PIN_NUMBER "32" at 22745.41,22615.93 h25 r180; PIN_NUMBER "53" at 22528.88,22297.81 h25 r180; PIN_NUMBER "63" at 22430.45,22297.81 h25 r180; PIN_NUMBER "75" at 22312.34,22297.81 h25 r180; PIN_NUMBER "79" at 22272.97,22297.81 h25 r180; PIN_NUMBER "77" at 22292.66,22297.81 h25 r180; PIN_NUMBER "20" at 22863.52,22615.93 h25 r180; PIN_NUMBER "66" at 22410.77,22615.93 h25 r180; PIN_NUMBER "76" at 22312.34,22615.93 h25 r180; PIN_NUMBER "78" at 22292.66,22615.93 h25 r180; PIN_NUMBER "23" at 22824.15,22297.81 h25 r180; PIN_NUMBER "25" at 22804.47,22297.81 h25 r180; PIN_NUMBER "4" at 23031,22615.93 h25 r180; PIN_NUMBER "3" at 23031,22297.81 h25 r180; PIN_NUMBER "80" at 22272.97,22615.93 h25 r180; PIN_NUMBER "7" at 22991.63,22297.81 h25 r180; PIN_NUMBER "8" at 22991.63,22615.93 h25 r180; PIN_NUMBER "12" at 22942.26,22615.93 h25 r180; PIN_NUMBER "14" at 22922.58,22615.93 h25 r180; PIN_NUMBER "18" at 22883.21,22615.93 h25 r180; PIN_NUMBER "17" at 22883.21,22297.81 h25 r180; PIN_NUMBER "15" at 22902.89,22297.81 h25 r180; PIN_NUMBER "13" at 22922.58,22297.81 h25 r180; PIN_NUMBER "9" at 22971.95,22297.81 h25 r180; PIN_NUMBER "10" at 22961.95,22615.93 h25 r180; PIN_NUMBER "11" at 22942.26,22297.81 h25 r180; PIN_NUMBER "73" at 22332.03,22297.81 h25 r180; PIN_NUMBER "68" at 22391.08,22615.93 h25 r180; PIN_NUMBER "26" at 22804.47,22615.93 h25 r180; PIN_NUMBER "55" at 22509.19,22297.81 h25 r180; PIN_NUMBER "28" at 22784.78,22615.93 h25 r180; PIN_NUMBER "57" at 22489.51,22297.81 h25 r180; PIN_NUMBER "59" at 22469.82,22297.81 h25 r180; PIN_NUMBER "61" at 22450.14,22297.81 h25 r180; PIN_NUMBER "47" at 22587.93,22297.81 h25 r180; PIN_NUMBER "58" at 22489.51,22615.93 h25 r180; PIN_NUMBER "60" at 22469.82,22615.93 h25 r180; PIN_NUMBER "56" at 22509.19,22615.93 h25 r180; PIN_NUMBER "62" at 22450.14,22615.93 h25 r180; PIN_NUMBER "64" at 22430.45,22615.93 h25 r180; PIN_NUMBER "44" at 22627.3,22615.93 h25 r180; PIN_NUMBER "43" at 22627.3,22297.81 h25 r180; PIN_NUMBER "48" at 22587.93,22615.93 h25 r180; PIN_NUMBER "72" at 22351.71,22615.93 h25 r180; PIN_NUMBER "46" at 22607.62,22615.93 h25 r180; PIN_NUMBER "52" at 22548.56,22615.93 h25 r180; PIN_NUMBER "30" at 22765.1,22615.93 h25 r180; PIN_NUMBER "16" at 22902.89,22615.93 h25 r180; PIN_NUMBER "22" at 22843.84,22615.93 h25 r180; PIN_NUMBER "24" at 22824.15,22615.93 h25 r180; PIN_NUMBER "1" at 23050.69,22297.81 h25 r180; PIN_NUMBER "2" at 23050.69,22615.93 h25 r180; PIN_NUMBER "38" at 22686.36,22615.93 h25 r180; PIN_NUMBER "37" at 22686.36,22297.81 h25 r180; PIN_NUMBER "27" at 22784.78,22297.81 h25 r180; PIN_NUMBER "33" at 22725.73,22297.81 h25 r180; PIN_NUMBER "40" at 22666.67,22615.93 h25 r180; PIN_NUMBER "31" at 22745.41,22297.81 h25 r180; PIN_NUMBER "35" at 22706.04,22297.81 h25 r180; PIN_NUMBER "36" at 22706.04,22615.93 h25 r180; PIN_NUMBER "42" at 22646.99,22615.93 h25 r180; PIN_NUMBER "29" at 22765.1,22297.81 h25 r180
CON14: PIN_NUMBER "4" at 21002.35,25316.47 h25 r90; PIN_NUMBER "6" at 20895.35,25195.47 h25 r90; PIN_NUMBER "5" at 20895.35,25713.47 h25 r90; PIN_NUMBER "1" at 21002.35,25592.07 h25 r90; PIN_NUMBER "2" at 21002.35,25493.47 h25 r90; PIN_NUMBER "3" at 21002.35,25414.97 h25 r90; Top Overlay "VUSB" at 21077.35,25552.07 h25 r90; Top Overlay "D-" at 21077.35,25477.07 h25 r90; Top Overlay "D+" at 21077.35,25402.07 h25 r90; Top Overlay "GND" at 21077.35,25287.07 h25 r90
CON15: PIN_NUMBER "4" at 21002.35,24566.47 h25 r90; PIN_NUMBER "6" at 20895.35,24445.47 h25 r90; PIN_NUMBER "5" at 20895.35,24963.47 h25 r90; PIN_NUMBER "1" at 21002.35,24842.07 h25 r90; PIN_NUMBER "3" at 21002.35,24664.97 h25 r90; PIN_NUMBER "2" at 21002.35,24743.47 h25 r90; Top Overlay "VUSB" at 21077.35,24802.07 h25 r90; Top Overlay "D-" at 21077.35,24727.07 h25 r90; Top Overlay "D+" at 21077.35,24652.07 h25 r90; Top Overlay "GND" at 21077.35,24537.07 h25 r90
CON16: PIN_NUMBER "17" at 24638.48,22068.98 h25 r270; PIN_NUMBER "19" at 24638.48,21990.24 h25 r270; PIN_NUMBER "20" at 24717.22,21990.24 h25 r270; PIN_NUMBER "18" at 24717.22,22068.98 h25 r270; PIN_NUMBER "16" at 24717.22,22147.72 h25 r270; PIN_NUMBER "14" at 24717.22,22226.46 h25 r270; PIN_NUMBER "12" at 24717.22,22305.2 h25 r270; PIN_NUMBER "10" at 24717.22,22383.94 h25 r270; PIN_NUMBER "8" at 24727.22,22462.68 h25 r270; PIN_NUMBER "6" at 24727.22,22541.42 h25 r270; PIN_NUMBER "4" at 24727.22,22620.16 h25 r270; PIN_NUMBER "7" at 24648.48,22462.68 h25 r270; PIN_NUMBER "5" at 24648.48,22541.42 h25 r270; PIN_NUMBER "3" at 24648.48,22620.16 h25 r270; PIN_NUMBER "13" at 24638.48,22226.46 h25 r270; PIN_NUMBER "9" at 24648.48,22383.94 h25 r270; PIN_NUMBER "1" at 24648.48,22698.9 h25 r270; PIN_NUMBER "2" at 24727.22,22698.9 h25 r270; PIN_NUMBER "15" at 24638.48,22147.72 h25 r270; PIN_NUMBER "11" at 24638.48,22305.2 h25 r270; Top Overlay "10" at 24831.71,22395.75 h15.75 r270; Top Overlay "2" at 24831.71,22702.84 h15.75 r270; Top Overlay "20" at 24831.71,21998.11 h15.75 r270; Top Overlay "19" at 24548.25,22002.05 h25 r270; Top Overlay "9" at 24548.25,22391.81 h25 r270
CON17: PIN_NUMBER "9" at 22843.17,26904.84 h25 r180; PIN_NUMBER "17" at 22990.65,26904.84 h25 r180; PIN_NUMBER "4" at 22744.74,26904.84 h25 r180; PIN_NUMBER "1" at 22685.69,26904.84 h25 r180; PIN_NUMBER "7" at 22803.8,26904.84 h25 r180; PIN_NUMBER "15" at 22951.28,26904.84 h25 r180; PIN_NUMBER "12" at 22892.22,26904.84 h25 r180; PIN_NUMBER "16" at 22970.96,26904.84 h25 r180; PIN_NUMBER "10" at 22852.85,26904.84 h25 r180; PIN_NUMBER "6" at 22784.11,26904.84 h25 r180; PIN_NUMBER "3" at 22725.06,26904.84 h25 r180; PIN_NUMBER "11" at 22872.54,26904.84 h25 r180; PIN_NUMBER "21" at 23138.29,27169.41 h25 r180; PIN_NUMBER "23" at 22567.42,27169.41 h25 r180; PIN_NUMBER "20" at 23138.29,26934.76 h25 r180; PIN_NUMBER "22" at 22567.42,26934.76 h25 r180; PIN_NUMBER "8" at 22823.48,26904.84 h25 r180; PIN_NUMBER "5" at 22764.43,26904.84 h25 r180; PIN_NUMBER "2" at 22705.37,26904.84 h25 r180; PIN_NUMBER "19" at 23030.02,26904.84 h25 r180; PIN_NUMBER "18" at 23010.33,26904.84 h25 r180; PIN_NUMBER "13" at 22911.91,26904.84 h25 r180; PIN_NUMBER "14" at 22931.59,26904.84 h25 r180; Top Overlay "19" at 23034.27,26820.59 h25
D1: PIN_NUMBER "1" at 21697.85,21842.58 h25 r270; PIN_NUMBER "2" at 21697.85,21978.56 h25 r270
D3: PIN_NUMBER "2" at 21587.85,21978.56 h25 r270; PIN_NUMBER "1" at 21587.85,21842.58 h25 r270
Designator1: PIN_NUMBER "1" at 23889.6,24291.3 h20
Designator1: PIN_NUMBER "1" at 23889.6,22244.06 h20
Designator1: PIN_NUMBER "1" at 21448.65,22244.06 h20
Designator1: PIN_NUMBER "1" at 21448.65,24291.3 h20
Designator1: PIN_NUMBER "4" at 24545.14,25939.31 h23.62; PIN_NUMBER "3" at 24761.67,25939.31 h23.62; PIN_NUMBER "1" at 24545.14,25781.83 h23.62; PIN_NUMBER "2" at 24761.67,25781.83 h23.62
Designator1: PIN_NUMBER "4" at 24545.14,26339.31 h23.62; PIN_NUMBER "3" at 24761.67,26339.31 h23.62; PIN_NUMBER "2" at 24761.67,26181.83 h23.62; PIN_NUMBER "1" at 24545.14,26181.83 h23.62
Designator1: PIN_NUMBER "2" at 24761.67,25381.83 h23.62; PIN_NUMBER "1" at 24545.14,25381.83 h23.62; PIN_NUMBER "4" at 24545.14,25539.31 h23.62; PIN_NUMBER "3" at 24761.67,25539.31 h23.62
Designator1: PIN_NUMBER "4" at 20682.15,26908.84 h23.62 r270; PIN_NUMBER "3" at 20682.15,26692.3 h23.62 r270; PIN_NUMBER "2" at 20524.67,26692.3 h23.62 r270; PIN_NUMBER "1" at 20524.67,26908.84 h23.62 r270
Designator1: PIN_NUMBER "4" at 24545.14,24739.31 h23.62; PIN_NUMBER "3" at 24761.67,24739.31 h23.62; PIN_NUMBER "2" at 24761.67,24581.83 h23.62; PIN_NUMBER "1" at 24545.14,24581.83 h23.62
Designator1: PIN_NUMBER "4" at 24545.14,25139.31 h23.62; PIN_NUMBER "3" at 24761.67,25139.31 h23.62; PIN_NUMBER "1" at 24545.14,24981.83 h23.62; PIN_NUMBER "2" at 24761.67,24981.83 h23.62
Designator1: PIN_NUMBER "2" at 21180.85,27003.57 h25; PIN_NUMBER "3" at 21005.85,26878.57 h25; PIN_NUMBER "1" at 21180.85,26753.57 h25
Designator1: PIN_NUMBER "3" at 22292.85,26970.57 h25; PIN_NUMBER "4" at 22392.85,26970.57 h25; PIN_NUMBER "1" at 22092.85,26970.57 h25; PIN_NUMBER "2" at 22192.85,26970.57 h25; PIN_NUMBER "8" at 22092.85,27270.57 h25; PIN_NUMBER "7" at 22192.85,27270.57 h25; PIN_NUMBER "6" at 22292.85,27270.57 h25; PIN_NUMBER "5" at 22392.85,27270.57 h25
F1: PIN_NUMBER "2" at 21532.85,26805.57 h25 r180; PIN_NUMBER "1" at 21602.85,26805.57 h25 r180
F2: PIN_NUMBER "1" at 21692.85,26645.57 h25 r270; PIN_NUMBER "2" at 21692.85,26575.57 h25 r270
FB6: PIN_NUMBER "2" at 23616.63,21452.83 h25; PIN_NUMBER "1" at 23546.63,21452.83 h25
FB7: PIN_NUMBER "2" at 23756.63,21452.83 h25; PIN_NUMBER "1" at 23686.63,21452.83 h25
FB8: PIN_NUMBER "2" at 23896.63,21452.83 h25; PIN_NUMBER "1" at 23826.63,21452.83 h25
FB9: PIN_NUMBER "2" at 24036.63,21452.83 h25; PIN_NUMBER "1" at 23966.63,21452.83 h25
FB10: PIN_NUMBER "2" at 23552.85,20945.57 h25 r270; PIN_NUMBER "1" at 23552.85,21015.57 h25 r270
FB17: PIN_NUMBER "1" at 23311.17,26930.57 h23.62; PIN_NUMBER "2" at 23350.54,26930.57 h23.62; PLACE_BOUND_TOP "1.1" at 23287.54,26908.92 h23.62; DIMENSION_KEEPOUT "[s0.7x0.6]" at 23236.38,26844.82 h23.62
H5: PIN_NUMBER "1" at 23692.76,22440.91 h20
H6: PIN_NUMBER "1" at 21645.5,22440.91 h20
H7: PIN_NUMBER "1" at 21645.5,24094.45 h20
H8: PIN_NUMBER "1" at 23692.86,24094.45 h20
H9: PIN_NUMBER "1" at 24651.08,24223.41 h25
H10: PIN_NUMBER "1" at 20635.33,27173.41 h25
H11: PIN_NUMBER "1" at 24651.08,27173.41 h25
H12: PIN_NUMBER "1" at 20635.33,24223.41 h25
H13: PIN_NUMBER "1" at 20635.33,20008.05 h25
H14: PIN_NUMBER "1" at 24651.08,20008.05 h25
J1: PIN_NUMBER "9" at 21132.42,26443.44 h25 r270; PIN_NUMBER "12" at 21083.05,25915.88 h25 r180; PIN_NUMBER "6" at 21132.42,26313.52 h25 r270; PIN_NUMBER "13" at 20705.1,25880.45 h25 r270; PIN_NUMBER "11" at 20705.1,26495.69 h25 r270; PIN_NUMBER "10" at 21093.05,26499.69 h25 r270; PIN_NUMBER "4" at 21132.42,26226.91 h25 r270; PIN_NUMBER "2" at 21132.42,26140.29 h25 r270; PIN_NUMBER "3" at 21132.42,26183.6 h25 r270; PIN_NUMBER "1" at 21132.42,26096.99 h25 r270; PIN_NUMBER "5" at 21132.42,26270.21 h25 r270; PIN_NUMBER "7" at 21132.42,26356.83 h25 r270; PIN_NUMBER "8" at 21132.42,26400.14 h25 r270
J3: PIN_NUMBER "1" at 23534.83,21642.57 h27.56 r90; PIN_NUMBER "2" at 23634.83,21642.57 h27.56 r90